# KiCad board splinter_v4_nice.kicad_pcb
title: splinter; date: 2022-08-25; rev: 0.1; company: filterpaper
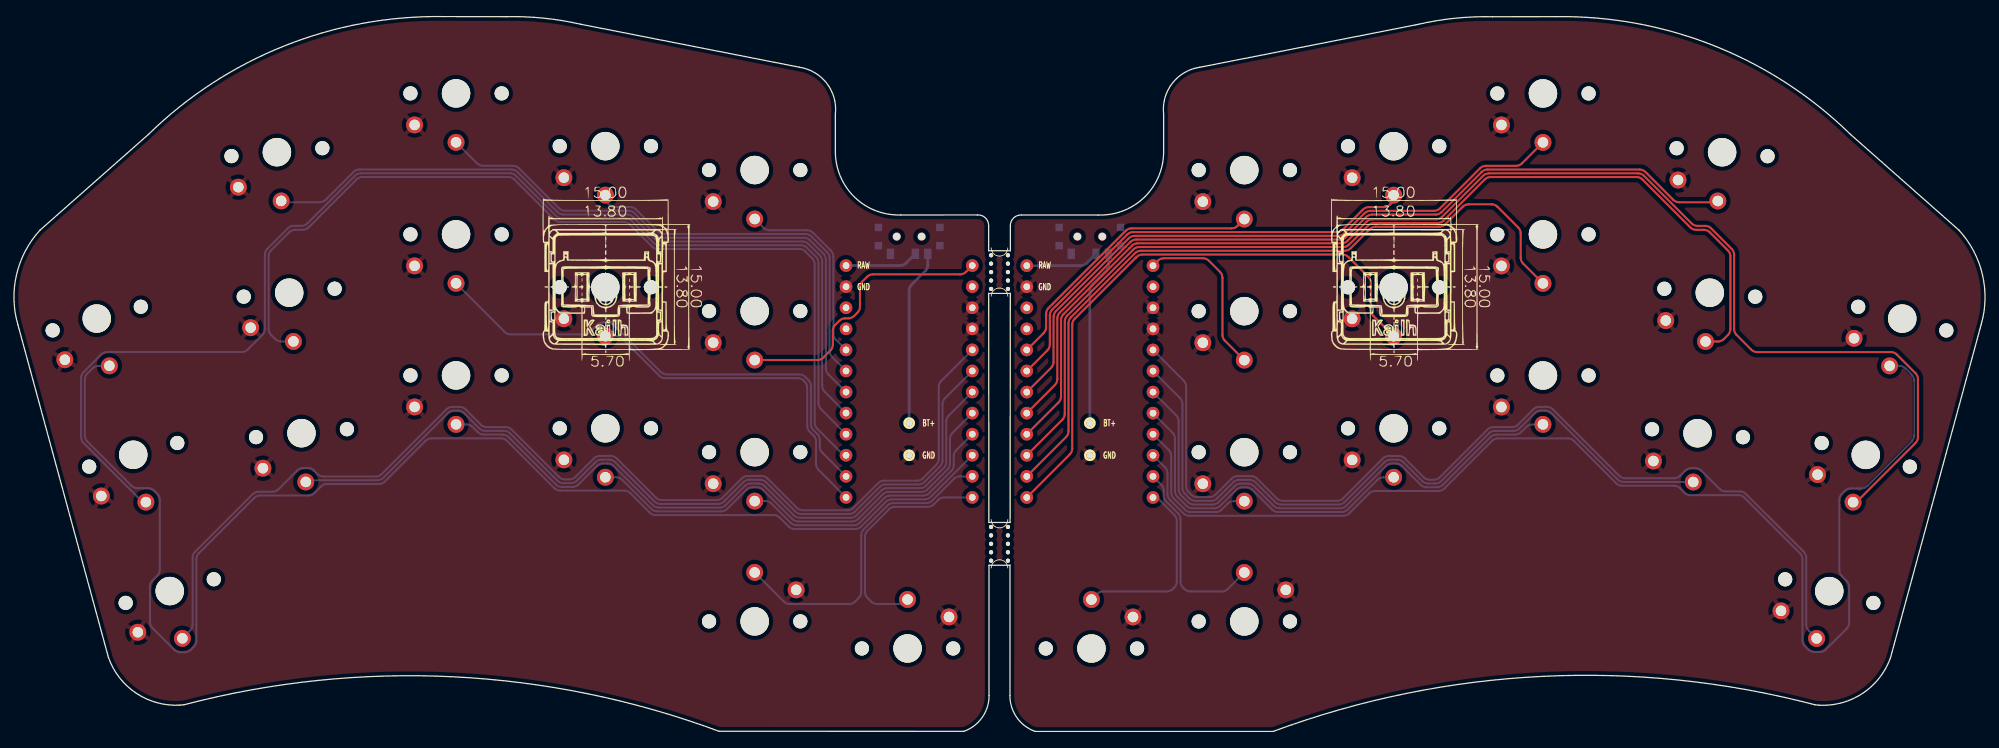
[diagram p0: board, top side]
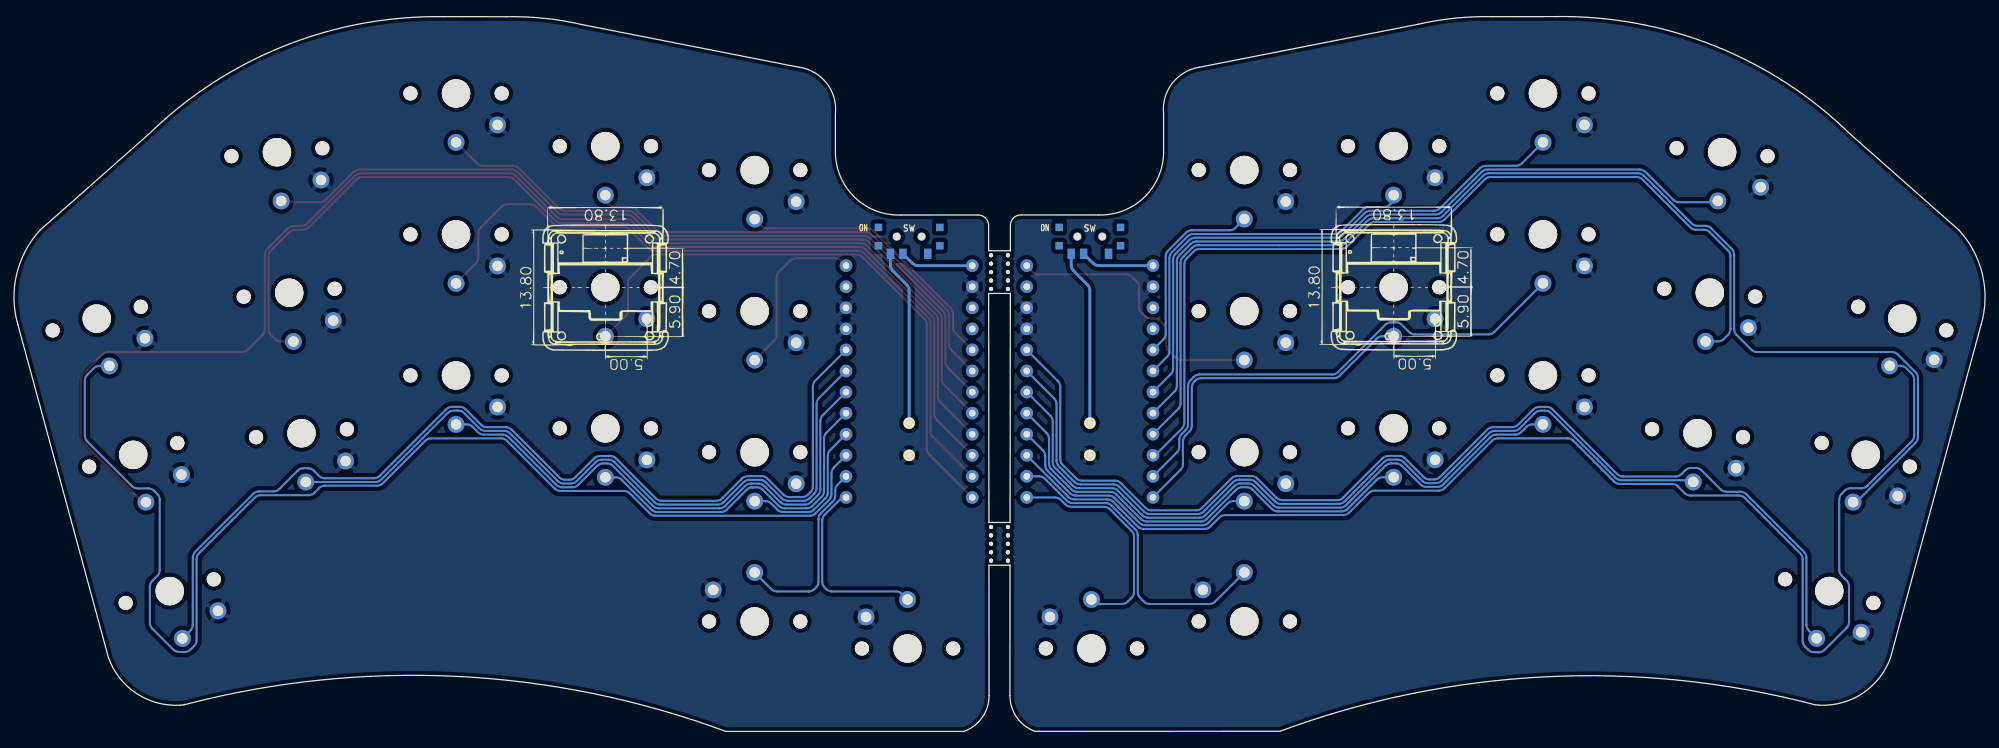
[diagram p1: board, bottom side, seen from below]

Outline 237.61 x 86.15 mm; copper layers: Top, Bottom. Coordinates in mm from the lower left corner of the outline.
Outline path: 0.47,49.03 arc(0.32,55.08) 3.16,60.43 16.22,71.96 arc(32.58,82.61) 51.78,86.15 59.4,86.14 arc(63.89,85.96) 68.33,85.22 94.71,80.04 arc(97.99,78.1) 99.02,74.43 99.02,69.71 arc(101.4,64.33) 106.9,62.24 116.15,62.24 arc(117.1,61.9) 117.5,60.97 117.5,57.93 120.11,57.93 120.12,60.96 arc(120.51,61.89) 121.47,62.24 130.71,62.23 arc(136.21,64.32) 138.59,69.71 138.59,74.42 arc(139.62,78.09) 142.9,80.03 169.29,85.22 arc(173.72,85.95) 178.21,86.13 185.83,86.14 arc(205.03,82.6) 221.39,71.95 234.45,60.42 arc(237.29,55.07) 237.14,49.02 226.22,8.89 arc(222.86,4.59) 217.6,3.16 217.09,3.21 arc(184.2,6.63) 151.8,0 123.09,0 arc(120.89,1.68) 120.06,4.32 120.08,20.03 117.54,20.03 117.55,4.33 arc(116.72,1.68) 114.52,0.01 84.98,0.02 arc(52.99,6.58) 20.52,3.22 20.02,3.17 arc(14.75,4.6) 11.39,8.9 0.47,49.03 ; 117.5,52.79 120.11,52.79 120.08,25.19 117.53,25.19 117.5,52.79

## Placement (name value [footprint] x y rotation side)
   Val**  [1pin_conn]  107.81 33.88 0 top
 #2  Val**  [1pin_conn#2]  129.67 33.2 0 top
 #3  Val**  [1pin_conn#3]  129.67 37.16 0 top
 #4  Val**  [1pin_conn#4]  107.81 37.84 0 top
mouse-bite-5mm-slot  VAL**  [mouse-bite-5mm-slot-with-space-for-track]  118.81 22.61 0 top
mouse-bite-5mm-slot#2  VAL**  [mouse-bite-5mm-slot-with-space-for-track]  118.81 55.36 0 top
SW  SW_SPDT  [SPDT_C128955]  107.91 59.64 180 bottom
SW3  SW_Push  [SW_PG1350_rev_DPB2]  31.7 69.81 5 top
SW3#2  SW_Push  [SW_PG1350_rev_DPB2#2]  205.91 69.8 175 bottom
SW4  SW_Push  [SW_PG1350_rev_DPB2]  53.29 76.9 0 top
SW4#2  SW_Push  [SW_PG1350_rev_DPB2#2]  184.32 76.89 180 bottom
SW5  SW_Push  [SW_PG1350_rev_DPB2]  71.29 70.54 0 top
SW5#2  SW_Push  [SW_PG1350_rev_DPB2#2]  166.32 70.53 180 bottom
SW6  SW_Push  [SW_PG1350_rev_DPB2]  89.29 67.66 0 top
SW6#2  SW_Push  [SW_PG1350_rev_DPB2#2]  148.32 67.65 180 bottom
SW8  SW_Push  [SW_PG1350_rev_DPB2]  14.38 33.34 15 top
SW8#2  SW_Push  [SW_PG1350_rev_DPB2]  18.78 16.91 15 top
SW8#3  SW_Push  [SW_PG1350_rev_DPB2#2]  223.23 33.33 165 bottom
SW8#4  SW_Push  [SW_PG1350_rev_DPB2#2]  218.83 16.91 165 bottom
SW9  SW_Push  [SW_PG1350_rev_DPB2]  33.18 52.88 5 top
SW9#2  SW_Push  [SW_PG1350_rev_DPB2#2]  204.43 52.87 175 bottom
SW10  SW_Push  [SW_PG1350_rev_DPB2]  53.29 59.91 0 top
SW10#2  SW_Push  [SW_PG1350_rev_DPB2#2]  184.32 59.9 180 bottom
SW11  SW_Push  [SW_PG1350_rev_DPB2]  71.29 53.54 0 top
SW11#2  SW_Push  [SW_PG1350_rev_DPB2#2]  166.32 53.53 180 bottom
SW12  SW_Push  [SW_PG1350_rev_DPB2]  89.29 50.66 0 top
SW12#2  SW_Push  [SW_PG1350_rev_DPB2#2]  148.32 50.65 180 bottom
SW14  SW_Push  [SW_PG1350_rev_DPB2]  9.98 49.76 15 top
SW14#2  SW_Push  [SW_PG1350_rev_DPB2#2]  227.63 49.75 165 bottom
SW15  SW_Push  [SW_PG1350_rev_DPB2]  34.66 35.94 5 top
SW15#2  SW_Push  [SW_PG1350_rev_DPB2#2]  202.95 35.94 175 bottom
SW16  SW_Push  [SW_PG1350_rev_DPB2]  53.29 42.91 0 top
SW16#2  SW_Push  [SW_PG1350_rev_DPB2#2]  184.32 42.9 180 bottom
SW17  SW_Push  [SW_PG1350_rev_DPB2]  71.29 36.53 0 top
SW17#2  SW_Push  [SW_PG1350_rev_DPB2#2]  166.32 36.52 180 bottom
SW18  SW_Push  [SW_PG1350_rev_DPB2]  89.29 33.66 0 top
SW18#2  SW_Push  [SW_PG1350_rev_DPB2#2]  148.32 33.65 180 bottom
SW20  SW_Push  [SW_PG1350_rev_DPB2]  89.29 13.26 180 top
SW20#2  SW_Push  [SW_PG1350_rev_DPB2#2]  148.32 13.25 0 bottom
SW21  SW_Push  [SW_PG1350_rev_DPB2]  107.72 10 180 top
SW21#2  SW_Push  [SW_PG1350_rev_DPB2#2]  129.89 9.99 0 bottom
SW#2  SW_SPDT  [SPDT_C128955]  129.7 59.64 180 bottom
U1  ProMicro-kbd  [ProMicro_v3_min_dual]  107.91 41.66 0 top
U1#2  ProMicro-kbd  [ProMicro_v3_min_dual]  129.7 41.66 0 top

## Footprints (pads in the part's own frame, mm; a bottom-side part is the same pattern mirrored in y, then rotated)
1pin_conn
  round 1.397 hole 0.813: 1(0.107,-0.604)
1pin_conn#2
  round 1.397 hole 0.813: 1(0.032,0.076)
1pin_conn#3
  round 1.397 hole 0.813: 1(0.032,0)
1pin_conn#4
  round 1.397 hole 0.813: 1(0.107,-0.68)
mouse-bite-5mm-slot-with-space-for-track
  round 0.5 hole 0.5 unplated: (-1.016,2.032) (-1.016,1.016) (-1.016,0) (-1.016,-1.016) (-1.016,-2.032) (1.016,2.032) (1.016,1.016) (1.016,0) (1.016,-1.016) (1.016,-2.032)
ProMicro_v3_min_dual
  round 1.524 hole 0.813: 1(7.611,14.478) 2(7.611,11.938) 3(7.611,9.398) 4(7.611,6.858) 5(7.611,4.318) 6(7.611,1.778) 7(7.611,-0.762) 8(7.611,-3.302) 9(7.611,-5.842) 10(7.611,-8.382) 11(7.611,-10.922) 12(7.611,-13.462) 13(-7.609,-13.462) 14(-7.609,-10.922) 15(-7.609,-8.382) 16(-7.609,-5.842) 17(-7.609,-3.302) 18(-7.609,-0.762) 19(-7.609,1.778) 20(-7.609,4.318) 21(-7.609,6.858) 22(-7.609,9.398) 23(-7.609,11.938) 24(-7.609,14.478)
SPDT_C128955
  round 1 hole 0.9 unplated: (-1.5,0) (1.5,0)
  rect 0.9x0.9 smd: 0(-3.7,-1.1) 0(-3.7,1.1) 0(3.7,-1.1) 0(3.7,1.1)
  rect 0.9x1.25 smd: 1(2.25,-2.075) 2(-0.75,-2.075) 3(-2.25,-2.075)
SW_PG1350_rev_DPB2
  round 1.702 hole 1.702 unplated: (-5.5,0) (5.5,0)
  round 3.429 hole 3.429 unplated: (0,0)
  round 2.032 hole 1.27: 1(0,-5.9) 2(-5,-3.8)
SW_PG1350_rev_DPB2#2
  round 1.702 hole 1.702 unplated: (-5.5,0) (5.5,0)
  round 3.429 hole 3.429 unplated: (0,0)
  round 2.032 hole 1.27: 1(0,-5.9) 2(5,-3.8)

## Nets
gnd:  .1  #2.1 SW3.2 SW3#2.2 SW4.2 SW4#2.2 SW5.2 SW5#2.2 SW6.2 SW6#2.2 SW8.2 SW8#2.2 SW8#3.2 SW8#4.2 SW9.2 SW9#2.2 SW10.2 SW10#2.2 SW11.2 SW11#2.2 SW12.2 SW12#2.2 SW14.2 SW14#2.2 SW15.2 SW15#2.2 SW16.2 SW16#2.2 SW17.2 SW17#2.2 SW18.2 SW18#2.2 SW20.2 SW20#2.2 SW21.2 SW21#2.2 U1.3 U1.4 U1.23 U1#2.3 U1#2.4 U1#2.23
vcc: U1.21 U1#2.21
raw: SW.2 SW#2.2 U1.24 U1#2.24
reset: U1.22 U1#2.22
Switch1: SW14.1 U1.10
Switch1_r: SW14#2.1 U1#2.10
Switch2: SW3.1 U1.17
Switch2_r: SW3#2.1 U1#2.17
Switch3: SW4.1 U1.18
Switch3_r: SW4#2.1 U1#2.18
Switch4: SW5.1 U1.19
Switch4_r: SW5#2.1 U1#2.19
Switch5: SW6.1 U1.20
Switch5_r: SW6#2.1 U1#2.20
Switch6: SW8.1 U1.16
Switch6_r: SW8#3.1 U1#2.16
Switch7: SW9.1 U1.15
Switch7_r: SW9#2.1 U1#2.15
Switch8: SW10.1 U1.14
Switch8_r: SW10#2.1 U1#2.14
Switch9: SW11.1 U1.13
Switch9_r: SW11#2.1 U1#2.13
Switch10: SW12.1 U1.1
Switch10_r: SW12#2.1 U1#2.1
Switch11: SW8#2.1 U1.5
Switch11_r: SW8#4.1 U1#2.5
Switch12: SW15.1 U1.6
Switch12_r: SW15#2.1 U1#2.6
Switch13: SW16.1 U1.7
Switch13_r: SW16#2.1 U1#2.7
Switch14: SW17.1 U1.8
Switch14_r: SW17#2.1 U1#2.8
Switch15: SW18.1 U1.9
Switch15_r: SW18#2.1 U1#2.9
Switch16: SW20.1 U1.11
Switch16_r: SW20#2.1 U1#2.11
Switch17: SW21.1 U1.12
Switch17_r: SW21#2.1 U1#2.12
Switch18: U1.2
Switch18_r: U1#2.2

Pads without a net:  #3 1;  #4 1; SW 0 1 3; SW#2 0 1 3

## Routing (per net, layer and track width the routed paths; a pad name or vN(x,y) marks a point on that pad's centre or on a via; arc(x,y) is an arc through that point)
gnd: length 0.5
  Top w0.25: 115.52,51.06 116.02,51.06
(no net): length 42.5
  Bottom w0.35: SW.3 110.16,56.21 arc(110.09,55.83) 109.87,55.5 108.21,53.84 arc(107.99,53.51) 107.91,53.13  #4.1 ;  #3.1 129.7,53.13 arc(129.77,53.51) 129.99,53.84 131.66,55.5 arc(131.87,55.83) 131.95,56.21 SW#2.3
raw: length 17.8
  Bottom w0.35: U1#2.24 128.61,56.13 arc(128.99,56.21) 129.31,56.43 SW#2.2 ; SW.2 107.54,56.43 arc(107.21,56.22) 106.83,56.14 U1.24
Switch1: length 163.5
  Bottom w0.25: 104.46,27.03 105.11,27.67 arc(105.44,27.89) 105.82,27.97 109.8,27.97 arc(110.18,28.04) 110.5,28.26 U1.10 ; 104.48,27.04 102.13,24.69 arc(101.8,24.47) 101.42,24.4 94.1,24.4 arc(93.72,24.47) 93.39,24.69 92.3,25.78 arc(91.98,26) 91.6,26.07 77.36,26.07 arc(76.97,26.15) 76.65,26.36 74.29,28.72 arc(73.97,28.94) 73.58,29.02 65.86,29.02 arc(65.47,29.09) 65.15,29.31 59.43,35.03 arc(59.11,35.25) 58.72,35.32 50.33,35.32 arc(49.95,35.25) 49.62,35.03 44.71,30.12 arc(44.39,29.9) 44.01,29.82 37.73,29.82 arc(37.35,29.75) 37.03,29.53 36.22,28.72 arc(35.89,28.51) 35.51,28.43 29.66,28.43 arc(29.28,28.36) 28.96,28.14 22.28,21.46 arc(22.06,21.14) 21.99,20.76 21.99,10.93 arc(21.91,10.54) 21.69,10.22 21.31,9.83 arc(20.98,9.62) 20.6,9.54 20.04,9.54 arc(19.66,9.62) 19.33,9.83 16.69,12.48 arc(16.47,12.8) 16.4,13.19 16.4,17.48 arc(16.47,17.86) 16.69,18.18 17.28,18.78 arc(17.5,19.1) 17.58,19.49 17.58,27.94 arc(17.5,28.32) 17.28,28.64 16.91,29.02 arc(16.58,29.24) 16.2,29.31 14.89,29.31 arc(14.51,29.39) 14.18,29.6 14.17,29.62 8.83,34.95 arc(8.62,35.28) 8.54,35.66 8.54,42.41 arc(8.62,42.79) 8.83,43.11 9.49,43.77 arc(9.81,43.98) 10.19,44.06 SW14.1
Switch1_r: length 148.8
  Bottom w0.25: U1#2.10 138.76,31.82 arc(138.98,31.5) 139.06,31.11 139.06,28.61 arc(139.13,28.23) 139.35,27.9 140.97,26.28 arc(141.3,26.06) 141.68,25.99 160.25,25.99 arc(160.64,26.06) 160.96,26.28 163.36,28.68 arc(163.69,28.9) 164.07,28.98 171.72,28.98 arc(172.11,29.05) 172.43,29.27 178.19,35.03 arc(178.51,35.24) 178.89,35.32 187.32,35.32 arc(187.7,35.24) 188.03,35.03 193.15,29.9 arc(193.48,29.69) 193.86,29.61 200.13,29.61 arc(200.51,29.53) 200.83,29.32 201.38,28.77 arc(201.71,28.55) 202.09,28.47 207.88,28.47 arc(208.26,28.4) 208.58,28.18 211.39,25.38 211.39,25.38 215.31,21.46 arc(215.53,21.14) 215.6,20.76 215.6,10.99 arc(215.68,10.61) 215.9,10.28 216.31,9.87 arc(216.63,9.65) 217.02,9.58 217.71,9.58 arc(218.09,9.65) 218.42,9.87 220.93,12.38 arc(221.15,12.71) 221.23,13.09 221.23,17.43 arc(221.15,17.81) 220.93,18.13 220.34,18.73 arc(220.12,19.06) 220.04,19.44 220.04,27.9 arc(220.12,28.28) 220.34,28.61 220.72,28.99 arc(221.04,29.21) 221.43,29.29 222.7,29.29 arc(223.09,29.36) 223.41,29.58 223.44,29.61 228.78,34.95 arc(228.99,35.27) 229.07,35.65 229.07,42.28 arc(228.99,42.66) 228.78,42.98 228,43.76 arc(227.68,43.97) 227.3,44.05 SW14#2.1
Switch2: length 91.1
  Bottom w0.25: U1.17 97.72,40.95 arc(97.5,41.27) 97.43,41.65 97.43,56.67 arc(97.35,57.06) 97.13,57.38 95.76,58.75 arc(95.43,58.97) 95.05,59.05 77.99,59.05 arc(77.61,59.12) 77.28,59.34 74.62,62 arc(74.29,62.22) 73.91,62.3 66.23,62.3 arc(65.85,62.37) 65.52,62.59 60.69,67.43 arc(60.36,67.64) 59.98,67.72 41.64,67.72 arc(41.26,67.64) 40.93,67.43 37.58,64.07 arc(37.25,63.85) 36.87,63.78 31.9,63.78
Switch2_r: length 101.5
  Top w0.25: U1#2.17 125.48,41.75 arc(125.7,42.07) 125.77,42.45 125.77,49.76 arc(125.85,50.15) 126.07,50.47 134.58,58.98 arc(134.9,59.2) 135.29,59.28 159.86,59.28 arc(160.24,59.35) 160.57,59.57 162.99,62 arc(163.32,62.21) 163.7,62.29 171.38,62.29 arc(171.76,62.36) 172.09,62.58 176.93,67.42 arc(177.25,67.64) 177.63,67.71 195.97,67.71 arc(196.35,67.64) 196.68,67.42 200.03,64.06 arc(200.36,63.85) 200.74,63.77 205.24,63.77 SW3#2.1
Switch3: length 67.3
  Bottom w0.25: SW4.1 55.83,68.46 arc(56.15,68.25) 56.53,68.17 60.17,68.17 arc(60.55,68.09) 60.87,67.88 65.71,63.04 arc(66.04,62.82) 66.42,62.75 74.1,62.75 arc(74.48,62.67) 74.8,62.45 77.47,59.79 arc(77.79,59.57) 78.17,59.5 95.24,59.5 arc(95.62,59.42) 95.94,59.2 97.58,57.57 arc(97.8,57.24) 97.88,56.86 97.88,43.74 arc(97.95,43.36) 98.17,43.04 U1.18
Switch3_r: length 78
  Top w0.25: SW4#2.1 181.79,68.45 arc(181.46,68.24) 181.08,68.16 177.45,68.16 arc(177.06,68.09) 176.74,67.87 171.9,63.03 arc(171.58,62.81) 171.19,62.74 163.52,62.74 arc(163.13,62.66) 162.81,62.45 160.38,60.02 arc(160.06,59.8) 159.68,59.73 135.1,59.73 arc(134.72,59.65) 134.39,59.43 125.62,50.66 arc(125.4,50.33) 125.32,49.95 125.32,44.54 arc(125.25,44.16) 125.03,43.84 U1#2.18
Switch4: length 44.9
  Bottom w0.25: U1.19 98.62,45.13 arc(98.4,45.45) 98.33,45.83 98.33,57.05 arc(98.25,57.43) 98.03,57.75 96.13,59.65 arc(95.81,59.87) 95.42,59.95 84.41,59.95 78.36,59.95 arc(77.98,60.02) 77.65,60.24 74.99,62.9 arc(74.67,63.12) 74.28,63.2 72.46,63.2 arc(72.07,63.27) 71.75,63.49 71.59,63.65 arc(71.37,63.97) 71.29,64.36 SW5.1
Switch4_r: length 55.6
  Top w0.25: SW5#2.1 166.32,64.35 arc(166.24,63.97) 166.03,63.64 165.86,63.48 arc(165.54,63.26) 165.16,63.19 163.33,63.19 arc(162.95,63.11) 162.62,62.9 160.2,60.47 arc(159.87,60.25) 159.49,60.18 134.91,60.18 arc(134.53,60.1) 134.21,59.88 125.17,50.84 arc(124.95,50.52) 124.87,50.14 124.87,46.63 arc(124.8,46.25) 124.58,45.93 U1#2.19
Switch5: length 23.3
  Bottom w0.25: SW6.1 90.36,60.69 arc(90.68,60.47) 91.07,60.4 95.61,60.4 arc(95.99,60.32) 96.32,60.1 98.48,57.94 arc(98.7,57.61) 98.78,57.23 98.78,47.92 arc(98.85,47.54) 99.07,47.22 U1.20
Switch5_r: length 34
  Top w0.25: SW6#2.1 147.49,60.92 arc(147.17,60.7) 146.78,60.63 134.73,60.63 arc(134.35,60.55) 134.02,60.33 124.72,51.03 arc(124.5,50.71) 124.42,50.32 124.42,48.72 arc(124.35,48.34) 124.13,48.02 U1#2.20
Switch6: length 149.6
  Bottom w0.25: U1.16 97.27,38.86 arc(97.05,39.18) 96.98,39.56 96.98,56.49 arc(96.9,56.87) 96.68,57.19 95.57,58.3 arc(95.25,58.52) 94.87,58.6 85.05,58.6 77.8,58.6 arc(77.42,58.67) 77.09,58.89 74.43,61.55 arc(74.11,61.77) 73.72,61.85 70.97,61.85 66.05,61.85 arc(65.66,61.92) 65.34,62.14 60.5,66.98 arc(60.18,67.19) 59.79,67.27 41.83,67.27 arc(41.45,67.19) 41.12,66.98 35.37,61.22 arc(35.04,61.01) 34.66,60.93 33.73,60.93 arc(33.35,60.85) 33.02,60.64 30.54,58.15 arc(30.32,57.83) 30.25,57.45 30.25,48.5 arc(30.17,48.11) 29.95,47.79 28.18,46.01 arc(27.85,45.8) 27.47,45.72 11.22,45.72 arc(10.84,45.65) 10.51,45.43 8.38,43.3 arc(8.17,42.98) 8.09,42.59 8.09,35.47 arc(8.17,35.09) 8.38,34.77 15.51,27.64 SW8.1
Switch6_r: length 160.2
  Top w0.25: 134.46,58.23 134.77,58.53 arc(135.09,58.75) 135.47,58.83 160.05,58.83 arc(160.43,58.9) 160.75,59.12 163.07,61.43 arc(163.39,61.65) 163.77,61.72 166.53,61.72 171.45,61.72 arc(171.83,61.8) 172.16,62.01 177.11,66.97 arc(177.44,67.19) 177.82,67.26 195.78,67.26 arc(196.17,67.19) 196.49,66.97 202.25,61.21 arc(202.57,61) 202.95,60.92 203.88,60.92 arc(204.27,60.85) 204.59,60.63 207.07,58.15 arc(207.29,57.82) 207.36,57.44 207.36,48.49 arc(207.44,48.11) 207.66,47.78 209.43,46.01 arc(209.76,45.79) 210.14,45.72 226.27,45.72 arc(226.65,45.64) 226.98,45.42 229.23,43.17 arc(229.44,42.85) 229.52,42.46 229.52,35.47 arc(229.44,35.08) 229.23,34.76 222.1,27.63 SW8#3.1 ; U1#2.16 125.93,39.66 arc(126.15,39.98) 126.22,40.36 126.22,49.58 arc(126.3,49.96) 126.52,50.28 134.46,58.22
Switch7: length 111.4
  Bottom w0.25: SW9.1 32.2,47 arc(31.81,47.07) 31.49,47.29 30.99,47.79 arc(30.77,48.11) 30.7,48.5 30.7,57.26 arc(30.77,57.64) 30.99,57.97 33.19,60.17 arc(33.51,60.38) 33.9,60.46 34.83,60.46 arc(35.21,60.54) 35.53,60.75 41.31,66.53 arc(41.63,66.74) 42.01,66.82 59.61,66.82 arc(59.99,66.74) 60.31,66.53 65.15,61.69 arc(65.48,61.47) 65.86,61.4 73.54,61.4 arc(73.92,61.32) 74.24,61.1 76.91,58.44 arc(77.23,58.22) 77.62,58.15 85.28,58.15 94.68,58.15 arc(95.06,58.07) 95.39,57.85 96.23,57.01 arc(96.45,56.68) 96.53,56.3 96.53,37.21 arc(96.6,36.83) 96.82,36.5 100.04,33.28 U1.15
Switch7_r: length 122
  Top w0.25: SW9#2.1 205.42,46.99 arc(205.8,47.07) 206.12,47.28 206.62,47.78 arc(206.84,48.11) 206.91,48.49 206.91,57.25 arc(206.84,57.64) 206.62,57.96 204.42,60.16 arc(204.1,60.38) 203.72,60.45 202.79,60.45 arc(202.4,60.53) 202.08,60.74 196.31,66.52 arc(195.98,66.74) 195.6,66.81 178.01,66.81 arc(177.62,66.74) 177.3,66.52 172.34,61.56 arc(172.02,61.35) 171.64,61.27 163.96,61.27 arc(163.58,61.2) 163.25,60.98 160.94,58.67 arc(160.62,58.45) 160.23,58.38 135.66,58.38 arc(135.28,58.3) 134.95,58.08 126.97,50.1 arc(126.75,49.77) 126.67,49.39 126.67,38.27 arc(126.6,37.89) 126.38,37.57 U1#2.15
Switch8: length 61.6
  Bottom w0.25: SW10.1 59.15,48.14 arc(59.48,47.93) 59.86,47.85 68.73,47.85 arc(69.11,47.93) 69.44,48.14 70.3,49.01 arc(70.63,49.23) 71.01,49.3 71.58,49.3 arc(71.96,49.23) 72.29,49.01 77.98,43.31 arc(78.31,43.1) 78.69,43.02 94.68,43.02 arc(95.06,42.95) 95.39,42.73 95.78,42.33 arc(96,42.01) 96.08,41.62 96.08,37.02 arc(96.15,36.64) 96.37,36.31 96.85,35.84 arc(97.06,35.51) 97.14,35.13 97.14,34.32 arc(97.21,33.94) 97.43,33.62 U1.14
Switch8_r: length 89.6
  Top w0.25: U1#2.14 126.83,35.48 arc(127.05,35.8) 127.12,36.18 127.12,49.2 arc(127.2,49.59) 127.42,49.91 135.14,57.63 arc(135.46,57.85) 135.85,57.93 160.42,57.93 arc(160.8,58) 161.13,58.22 163.44,60.53 arc(163.76,60.75) 164.15,60.82 171.82,60.82 arc(172.21,60.9) 172.53,61.11 174.65,63.23 arc(174.98,63.45) 175.36,63.53 178.12,63.53 arc(178.51,63.45) 178.83,63.23 181.34,60.72 arc(181.56,60.4) 181.64,60.01 181.64,57.09 arc(181.71,56.71) 181.93,56.39 SW10#2.1
Switch9: length 42
  Bottom w0.25: U1.13 96.98,31.53 arc(96.76,31.85) 96.69,32.23 96.69,34.94 arc(96.61,35.33) 96.4,35.65 95.92,36.13 arc(95.7,36.45) 95.63,36.84 95.63,41.44 arc(95.55,41.82) 95.33,42.15 95.2,42.28 arc(94.88,42.5) 94.49,42.57 78.5,42.57 arc(78.12,42.65) 77.8,42.86 73.32,47.34 arc(72.99,47.56) 72.61,47.64 SW11.1
Switch9_r: length 71.8
  Top w0.25: U1#2.13 127.28,33.39 arc(127.5,33.71) 127.57,34.09 127.57,49.02 arc(127.65,49.4) 127.87,49.73 135.21,57.07 135.22,57.07 135.33,57.18 arc(135.65,57.4) 136.04,57.48 160.15,57.48 arc(160.54,57.4) 160.86,57.18 163.28,54.76 arc(163.5,54.44) 163.58,54.05 163.58,50.78 arc(163.65,50.4) 163.87,50.08 SW11#2.1
Switch10: length 33.9
  Top w0.25: SW12.1 96.86,44.76 arc(97.24,44.83) 97.57,45.05 98.42,45.9 arc(98.64,46.23) 98.72,46.61 98.72,48.29 arc(98.79,48.67) 99.01,49 99.5,49.49 arc(99.82,49.71) 100.21,49.78 100.58,49.78 arc(100.96,49.86) 101.29,50.07 101.69,50.48 arc(101.91,50.8) 101.99,51.19 101.99,53.52 arc(102.06,53.91) 102.28,54.23 102.84,54.79 arc(103.16,55.01) 103.54,55.08 114.05,55.08 arc(114.43,55.16) 114.76,55.37 U1.1
Switch10_r: length 20.8
  Top w0.25: U1#2.1 137.91,56.73 arc(138.23,56.95) 138.62,57.03 143.33,57.03 arc(143.72,56.95) 144.04,56.73 145.39,55.39 arc(145.6,55.06) 145.68,54.68 145.68,47.8 arc(145.75,47.42) 145.97,47.1 SW12#2.1
Switch11: length 135.2
  Bottom w0.25: SW8#2.1 21.24,12.15 arc(21.46,12.48) 21.54,12.86 21.54,20.94 arc(21.61,21.32) 21.83,21.65 28.77,28.59 arc(29.09,28.81) 29.48,28.88 31.17,28.88 arc(31.55,28.96) 31.88,29.17 34.16,31.46 arc(34.49,31.68) 34.87,31.75 35.44,31.75 arc(35.82,31.68) 36.15,31.46 36.59,31.02 arc(36.91,30.8) 37.3,30.72 43.63,30.72 arc(44.02,30.8) 44.34,31.02 52.14,38.81 arc(52.46,39.03) 52.84,39.11 53.73,39.11 arc(54.11,39.03) 54.44,38.81 56.29,36.96 arc(56.61,36.75) 56.99,36.67 59.28,36.67 arc(59.67,36.6) 59.99,36.38 65.23,31.13 65.71,30.66 arc(66.03,30.44) 66.41,30.37 66.96,30.37 arc(67.35,30.44) 67.67,30.66 69.92,32.91 arc(70.24,33.13) 70.63,33.2 71.94,33.2 arc(72.33,33.13) 72.65,32.91 77.4,28.16 arc(77.72,27.95) 78.1,27.87 84.71,27.87 arc(85.09,27.95) 85.42,28.16 87.74,30.49 arc(88.07,30.71) 88.45,30.78 90.13,30.78 arc(90.51,30.71) 90.84,30.49 94.39,26.94 arc(94.71,26.72) 95.09,26.65 100.49,26.65 arc(100.87,26.72) 101.19,26.94 104.18,29.92 arc(104.5,30.14) 104.89,30.22 108.87,30.22 arc(109.25,30.29) 109.57,30.51 111.19,32.13 arc(111.41,32.46) 111.49,32.84 111.49,41.53 arc(111.56,41.91) 111.78,42.24 U1.5
Switch11_r: length 121
  Bottom w0.25: SW8#4.1 216.35,12.17 arc(216.13,12.49) 216.05,12.87 216.05,20.94 arc(215.98,21.32) 215.76,21.65 211.44,25.97 211.43,25.97 208.77,28.63 arc(208.44,28.85) 208.06,28.92 206.33,28.92 arc(205.95,29) 205.62,29.22 203.42,31.42 arc(203.09,31.64) 202.71,31.72 202.17,31.72 arc(201.78,31.64) 201.46,31.42 200.84,30.8 arc(200.51,30.59) 200.13,30.51 194.23,30.51 arc(193.85,30.59) 193.52,30.8 185.5,38.82 arc(185.18,39.04) 184.8,39.12 183.87,39.12 arc(183.49,39.04) 183.16,38.82 181.3,36.96 arc(180.98,36.75) 180.6,36.67 178.34,36.67 arc(177.95,36.59) 177.63,36.38 171.87,30.62 arc(171.55,30.4) 171.16,30.33 170.66,30.33 arc(170.28,30.4) 169.95,30.62 167.67,32.9 arc(167.34,33.12) 166.96,33.2 165.74,33.2 arc(165.36,33.12) 165.04,32.9 160.21,28.08 arc(159.89,27.86) 159.51,27.79 152.94,27.79 arc(152.56,27.86) 152.24,28.08 149.84,30.47 arc(149.52,30.69) 149.14,30.77 147.5,30.77 arc(147.12,30.69) 146.79,30.47 144.85,28.53 arc(144.52,28.31) 144.14,28.24 142.61,28.24 arc(142.23,28.31) 141.9,28.53 141.6,28.83 arc(141.38,29.16) 141.31,29.54 141.31,41.56 arc(141.23,41.95) 141.01,42.27 U1#2.5
Switch12: length 104.1
  Bottom w0.25: 35.57,30.27 43.82,30.27 arc(44.2,30.35) 44.53,30.57 52.32,38.36 arc(52.65,38.58) 53.03,38.66 53.54,38.66 arc(53.93,38.58) 54.25,38.36 56.1,36.51 arc(56.42,36.3) 56.81,36.22 59.1,36.22 arc(59.48,36.15) 59.8,35.93 65.05,30.68 65.52,30.21 arc(65.85,29.99) 66.23,29.92 67.15,29.92 arc(67.53,29.99) 67.86,30.21 70.11,32.46 arc(70.43,32.68) 70.81,32.75 71.76,32.75 arc(72.14,32.68) 72.46,32.46 77.21,27.71 arc(77.53,27.5) 77.92,27.42 84.9,27.42 arc(85.28,27.5) 85.61,27.71 87.93,30.04 arc(88.25,30.26) 88.64,30.33 89.94,30.33 arc(90.33,30.26) 90.65,30.04 94.2,26.49 arc(94.52,26.27) 94.91,26.2 100.67,26.2 arc(101.06,26.27) 101.38,26.49 104.37,29.47 arc(104.69,29.69) 105.07,29.77 109.05,29.77 arc(109.43,29.84) 109.76,30.06 111.64,31.94 arc(111.86,32.27) 111.94,32.65 111.94,39.44 arc(112.01,39.82) 112.23,40.15 U1.6
Switch12_r: length 90.2
  Bottom w0.25: U1#2.6 140.56,40.18 arc(140.78,39.86) 140.86,39.47 140.86,29.36 arc(140.93,28.97) 141.15,28.65 141.72,28.08 arc(142.04,27.86) 142.42,27.79 144.33,27.79 arc(144.71,27.86) 145.03,28.08 146.98,30.02 arc(147.3,30.24) 147.68,30.32 148.95,30.32 arc(149.33,30.24) 149.66,30.02 152.05,27.63 arc(152.38,27.41) 152.76,27.34 159.69,27.34 arc(160.08,27.41) 160.4,27.63 165.22,32.45 arc(165.55,32.67) 165.93,32.75 166.78,32.75 arc(167.16,32.67) 167.48,32.45 169.77,30.17 arc(170.09,29.95) 170.47,29.88 171.35,29.88 arc(171.73,29.95) 172.06,30.17 177.81,35.93 arc(178.14,36.14) 178.52,36.22 180.78,36.22 arc(181.17,36.3) 181.49,36.51 183.35,38.37 arc(183.67,38.59) 184.06,38.67 184.61,38.67 arc(184.99,38.59) 185.32,38.37 193.34,30.35 arc(193.66,30.14) 194.04,30.06 SW15#2.1
Switch13: length 80.5
  Bottom w0.25: SW16.1 54.56,37.01 arc(54.94,36.93) 55.27,36.71 55.91,36.06 arc(56.24,35.85) 56.62,35.77 58.91,35.77 arc(59.29,35.7) 59.62,35.48 65.34,29.76 arc(65.66,29.54) 66.04,29.47 67.34,29.47 arc(67.72,29.54) 68.04,29.76 70.29,32.01 arc(70.62,32.23) 71,32.3 71.57,32.3 arc(71.95,32.23) 72.28,32.01 77.02,27.26 arc(77.35,27.05) 77.73,26.97 85.09,26.97 arc(85.47,27.05) 85.79,27.26 88.12,29.59 arc(88.44,29.81) 88.82,29.88 89.76,29.88 arc(90.14,29.81) 90.46,29.59 94.01,26.04 arc(94.34,25.82) 94.72,25.75 100.86,25.75 arc(101.24,25.82) 101.57,26.04 104.55,29.02 arc(104.88,29.24) 105.26,29.32 109.24,29.32 arc(109.62,29.39) 109.94,29.61 112.09,31.76 arc(112.31,32.08) 112.39,32.47 112.39,37.35 arc(112.46,37.73) 112.68,38.06 U1.7
Switch13_r: length 66.1
  Bottom w0.25: SW16#2.1 183.03,37 arc(182.64,36.92) 182.32,36.71 181.68,36.06 arc(181.35,35.85) 180.97,35.77 178.71,35.77 arc(178.33,35.69) 178,35.48 172.24,29.72 arc(171.92,29.5) 171.54,29.43 170.29,29.43 arc(169.9,29.5) 169.58,29.72 167.3,32 arc(166.97,32.22) 166.59,32.3 166.12,32.3 arc(165.73,32.22) 165.41,32 160.59,27.18 arc(160.26,26.96) 159.88,26.89 152.57,26.89 arc(152.19,26.96) 151.86,27.18 149.47,29.57 arc(149.15,29.79) 148.77,29.87 147.87,29.87 arc(147.49,29.79) 147.16,29.57 145.22,27.63 arc(144.9,27.41) 144.51,27.34 142.24,27.34 arc(141.86,27.41) 141.53,27.63 140.7,28.46 arc(140.48,28.79) 140.41,29.17 140.41,37.38 arc(140.33,37.77) 140.11,38.09 U1#2.7
Switch14: length 56
  Bottom w0.25: U1.8 113.13,35.97 arc(112.91,35.64) 112.84,35.26 112.84,32.28 arc(112.76,31.9) 112.54,31.57 110.13,29.16 arc(109.81,28.94) 109.42,28.87 105.45,28.87 arc(105.06,28.79) 104.74,28.57 101.75,25.59 arc(101.43,25.37) 101.05,25.3 94.53,25.3 arc(94.15,25.37) 93.83,25.59 90.28,29.14 arc(89.95,29.36) 89.57,29.43 89.01,29.43 arc(88.63,29.36) 88.3,29.14 85.98,26.81 arc(85.65,26.6) 85.27,26.52 77.54,26.52 arc(77.16,26.6) 76.84,26.81 73.31,30.34 arc(72.99,30.55) 72.61,30.63 SW17.1
Switch14_r: length 41.6
  Bottom w0.25: U1#2.8 139.66,36 arc(139.88,35.68) 139.96,35.29 139.96,28.98 arc(140.03,28.6) 140.25,28.28 141.34,27.18 arc(141.67,26.96) 142.05,26.89 144.7,26.89 arc(145.08,26.96) 145.41,27.18 147.35,29.12 arc(147.67,29.34) 148.06,29.42 148.58,29.42 arc(148.96,29.34) 149.29,29.12 151.68,26.73 arc(152,26.51) 152.39,26.44 160.07,26.44 arc(160.45,26.51) 160.77,26.73 164.37,30.33 arc(164.7,30.55) 165.08,30.62 SW17#2.1
Switch15: length 32.8
  Bottom w0.25: U1.9 113.58,33.88 arc(113.36,33.55) 113.29,33.17 113.29,32.09 arc(113.21,31.71) 112.99,31.39 110.32,28.71 arc(109.99,28.49) 109.61,28.42 105.63,28.42 arc(105.25,28.34) 104.92,28.12 101.94,25.14 arc(101.62,24.92) 101.23,24.85 94.35,24.85 arc(93.96,24.92) 93.64,25.14 91.32,27.46 arc(90.99,27.68) 90.61,27.76 SW18.1
Switch15_r: length 18.3
  Bottom w0.25: U1#2.9 139.21,33.91 arc(139.43,33.59) 139.51,33.2 139.51,28.8 arc(139.58,28.41) 139.8,28.09 141.16,26.73 arc(141.48,26.51) 141.87,26.44 144.89,26.44 arc(145.27,26.51) 145.59,26.73 146.32,27.46 arc(146.64,27.67) 147.03,27.75 SW18#2.1
Switch16: length 38.4
  Bottom w0.25: SW20.1 92.81,15.64 arc(93.14,15.43) 93.52,15.35 100.69,15.35 arc(101.07,15.43) 101.39,15.64 101.84,16.09 arc(102.06,16.42) 102.14,16.8 102.14,23.64 arc(102.21,24.03) 102.43,24.35 105.3,27.22 arc(105.63,27.44) 106.01,27.52 109.98,27.52 arc(110.37,27.59) 110.69,27.81 113.33,30.45 arc(113.65,30.67) 114.04,30.74 U1.11
Switch16_r: length 23.2
  Bottom w0.25: SW20#2.1 146.33,17.16 arc(146,16.94) 145.62,16.87 141.81,16.87 arc(141.43,16.94) 141.11,17.16 140.92,17.35 arc(140.7,17.67) 140.63,18.05 140.63,25.57 arc(140.55,25.96) 140.34,26.28 138.9,27.72 arc(138.68,28.04) 138.61,28.42 138.61,29.02 arc(138.53,29.41) 138.31,29.73 U1#2.11
Switch17: length 27.7
  Bottom w0.25: U1.12 112.13,28.2 arc(111.75,28.13) 111.42,27.91 110.88,27.36 arc(110.55,27.14) 110.17,27.07 106.2,27.07 arc(105.81,26.99) 105.49,26.77 102.88,24.16 arc(102.66,23.84) 102.59,23.46 102.59,16.81 arc(102.66,16.43) 102.88,16.1 103.34,15.64 arc(103.66,15.43) 104.05,15.35 106.76,15.35 arc(107.14,15.43) 107.47,15.64 SW21.1
Switch17_r: length 22.8
  Bottom w0.25: U1#2.12 137.37,28.19 arc(137.75,28.12) 138.08,27.9 139.89,26.09 arc(140.1,25.77) 140.18,25.39 140.18,18.05 arc(140.1,17.67) 139.89,17.35 139.7,17.16 arc(139.38,16.94) 138.99,16.87 131.28,16.87 arc(130.9,16.79) 130.58,16.58 SW21#2.1

## Copper pours and planes (outline as drawn; the poured copper is in the pictures)
gnd on Top: 263.08,92.59 261.7,-5.32 -4.59,-3.25 -3.67,94.51
gnd on Bottom: 253.18,-5.54 253.18,89.59 -6.22,89.43 -6.97,-5.71

## Text on the board
B.Silkscreen: ON
F.Silkscreen: BT+ | GND
